# Altium PCB PCB2-v2.PcbDoc (part 2 of 8) (continued)
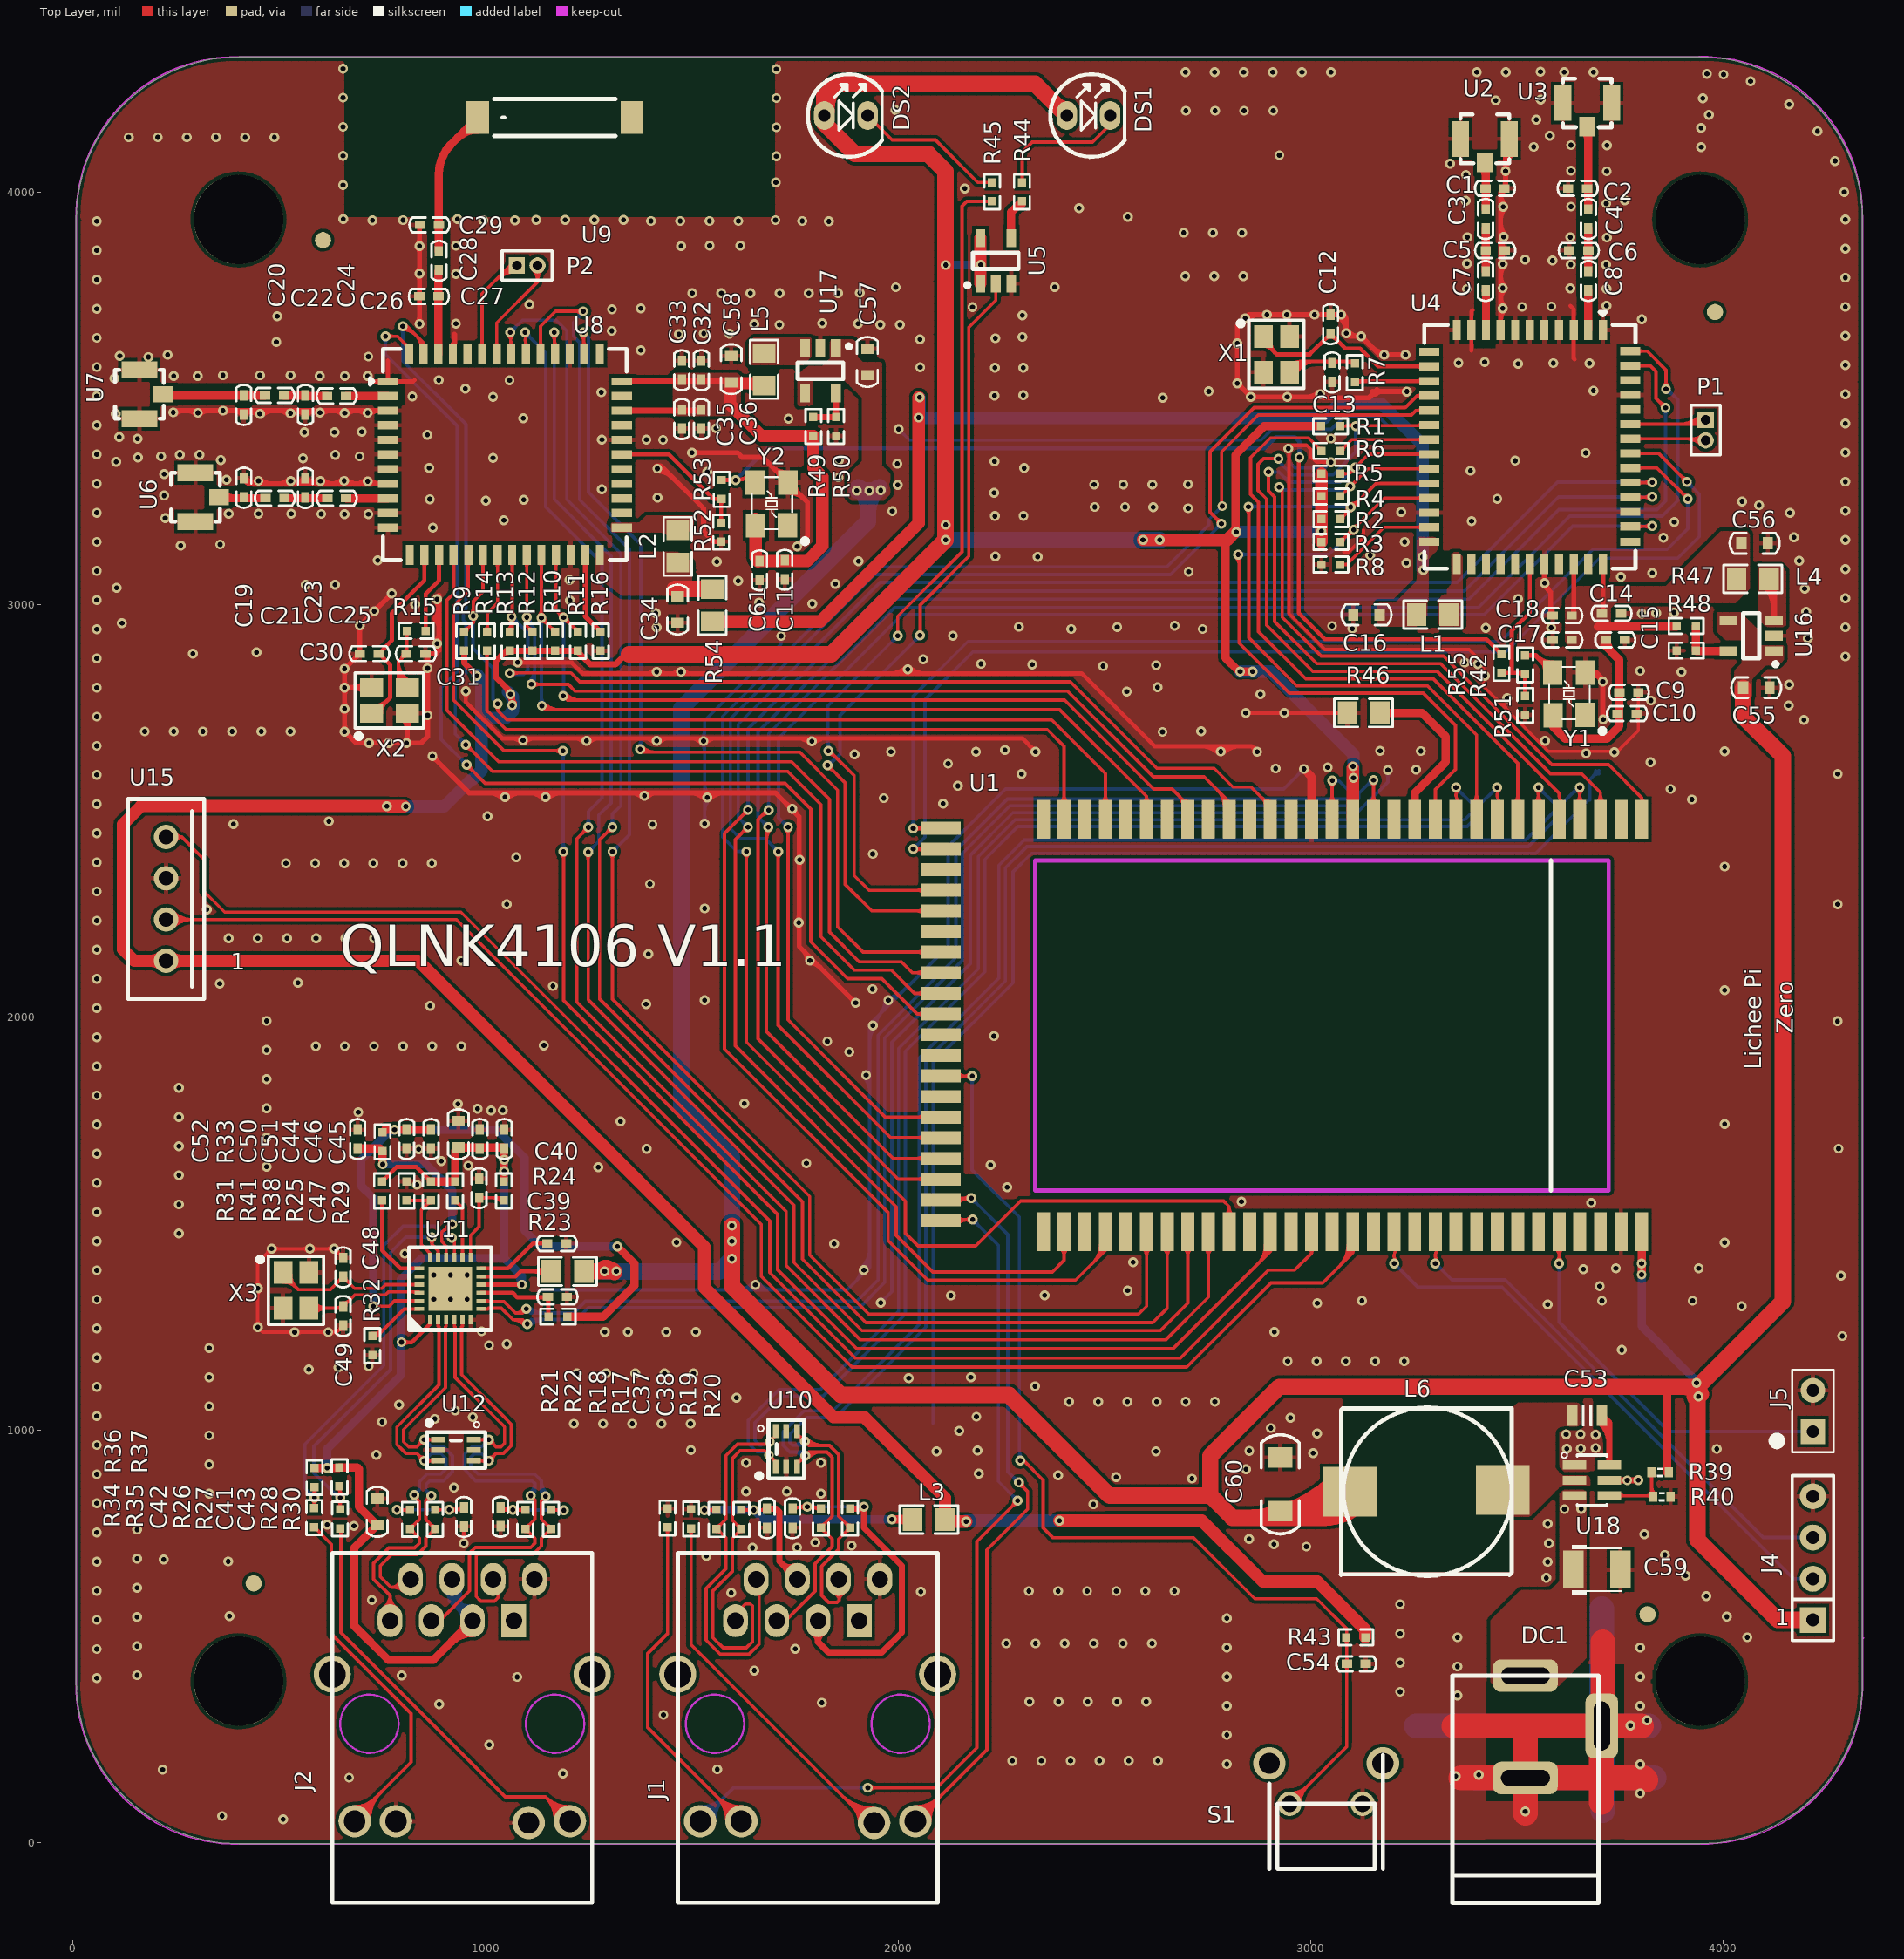
[diagram p0: Top Layer view]
## Nets (pads, with @x,y where several pads share a name; then routed paths per layer and width w, separated by ;. In a path a pad name is that pad's centre, name@x,y a point inside that pad or via, vN(x,y) a via of type N, cw(c..) or ccw(c..) an arc to the next point about the centre after c; other vN are vias at no path point) (continued)
  Bottom Layer w8: v1(1059.61,3660.55) 1088.89,3689.83 1170.56,3689.83 1196.77,3663.62 1196.77,3254.88 1327.89,3123.77 1327.89,2513.56 1307.25,2492.93 v1(1307.25,2460.98) ; v1@1059.61,3668.55 ccw(c1059.61,3687.86) 1073.26,3674.2 ; v1@1059.61,3668.55 ccw(c1059.61,3687.86) 1073.26,3674.2 ; v1@1059.61,3668.55 ccw(c1059.61,3687.86) 1073.26,3674.2 ; v1@1059.61,3668.55 ccw(c1059.61,3687.86) 1073.26,3674.2 ; v1@1067.61,3660.55 cw(c1086.92,3660.55) 1073.26,3674.2 ; v1@1067.61,3660.55 cw(c1086.92,3660.55) 1073.26,3674.2 ; v1@1067.61,3660.55 cw(c1086.92,3660.55) 1073.26,3674.2 ; v1@1067.61,3660.55 cw(c1086.92,3660.55) 1073.26,3674.2 ; v1@1301.59,2466.63 ccw(c1287.94,2480.29) 1307.25,2480.29 ; v1@1301.59,2466.63 ccw(c1287.94,2480.29) 1307.25,2480.29 ; v1@1301.59,2466.63 ccw(c1287.94,2480.29) 1307.25,2480.29 ; v1@1301.59,2466.63 ccw(c1287.94,2480.29) 1307.25,2480.29 ; 1307.25,2480.29 ccw(c1326.56,2480.29) v1@1312.91,2466.63 ; 1307.25,2480.29 ccw(c1326.56,2480.29) v1@1312.91,2466.63 ; 1307.25,2480.29 ccw(c1326.56,2480.29) v1@1312.91,2466.63 ; 1307.25,2480.29 ccw(c1326.56,2480.29) v1@1312.91,2466.63
BT1_RX: U1.8 U8.40 | length 4570.7
  Top Layer w8: U8.40@1166.83,3607.9 v1@1166.83,3660.55 ; v1(1248.28,2400.91) 1248.28,2043.35 1747.14,1544.49 1747.14,1405.49 1912.16,1240.48 2635.47,1240.48 2701.96,1306.97 U1.8@2701.96,1480.2 ; v1@1160.25,3654.89 cw(c1144.37,3639.01) 1166.83,3639.01 ; v1@1160.25,3654.89 cw(c1144.37,3639.01) 1166.83,3639.01 ; v1@1160.25,3654.89 cw(c1144.37,3639.01) 1166.83,3639.01 ; v1@1160.25,3654.89 cw(c1144.37,3639.01) 1166.83,3639.01 ; U8.40@1164.17,3626.8 ccw(c1157.76,3633.21) 1166.83,3633.21 ; U8.40@1164.17,3626.8 ccw(c1157.76,3633.21) 1166.83,3633.21 ; U8.40@1164.17,3626.8 ccw(c1157.76,3633.21) 1166.83,3633.21 ; U8.40@1164.17,3626.8 ccw(c1157.76,3633.21) 1166.83,3633.21 ; 1166.83,3640.33 ccw(c1185.97,3640.33) U8.40@1172.43,3626.8 ; 1166.83,3640.33 ccw(c1185.97,3640.33) U8.40@1172.43,3626.8 ; 1166.83,3640.33 ccw(c1185.97,3640.33) U8.40@1172.43,3626.8 ; 1166.83,3640.33 ccw(c1185.97,3640.33) U8.40@1172.43,3626.8 ; 1166.83,3643.46 cw(c1183,3643.46) v1@1171.56,3654.89 ; 1166.83,3643.46 cw(c1183,3643.46) v1@1171.56,3654.89 ; 1166.83,3643.46 cw(c1183,3643.46) v1@1171.56,3654.89 ; 1166.83,3643.46 cw(c1183,3643.46) v1@1171.56,3654.89 ; v1@1242.62,2395.26 cw(c1228.97,2381.6) 1248.28,2381.6 ; v1@1242.62,2395.26 cw(c1228.97,2381.6) 1248.28,2381.6 ; v1@1242.62,2395.26 cw(c1228.97,2381.6) 1248.28,2381.6 ; v1@1242.62,2395.26 cw(c1228.97,2381.6) 1248.28,2381.6 ; 1248.28,2381.6 cw(c1267.59,2381.6) v1@1253.94,2395.26 ; 1248.28,2381.6 cw(c1267.59,2381.6) v1@1253.94,2395.26 ; 1248.28,2381.6 cw(c1267.59,2381.6) v1@1253.94,2395.26 ; 1248.28,2381.6 cw(c1267.59,2381.6) v1@1253.94,2395.26 ; U1.8@2693.66,1440.4 cw(c2673.6,1420.34) 2701.96,1420.34 ; U1.8@2693.66,1440.4 cw(c2673.6,1420.34) 2701.96,1420.34 ; U1.8@2693.66,1440.4 cw(c2673.6,1420.34) 2701.96,1420.34 ; U1.8@2693.66,1440.4 cw(c2673.6,1420.34) 2701.96,1420.34 ; 2701.96,1420.34 cw(c2730.33,1420.34) U1.8@2710.27,1440.4 ; 2701.96,1420.34 cw(c2730.33,1420.34) U1.8@2710.27,1440.4 ; 2701.96,1420.34 cw(c2730.33,1420.34) U1.8@2710.27,1440.4 ; 2701.96,1420.34 cw(c2730.33,1420.34) U1.8@2710.27,1440.4
  Bottom Layer w8: v1(1165.91,3660.55) 1165.91,3255.84 1303.85,3117.9 1303.85,2519.75 1273.88,2489.77 1273.88,2426.51 v1(1248.28,2400.91) ; v1@1160.25,3654.89 cw(c1146.59,3641.23) 1165.91,3641.23 ; v1@1160.25,3654.89 cw(c1146.59,3641.23) 1165.91,3641.23 ; v1@1160.25,3654.89 cw(c1146.59,3641.23) 1165.91,3641.23 ; v1@1160.25,3654.89 cw(c1146.59,3641.23) 1165.91,3641.23 ; 1165.91,3641.23 cw(c1185.22,3641.23) v1@1171.56,3654.89 ; 1165.91,3641.23 cw(c1185.22,3641.23) v1@1171.56,3654.89 ; 1165.91,3641.23 cw(c1185.22,3641.23) v1@1171.56,3654.89 ; 1165.91,3641.23 cw(c1185.22,3641.23) v1@1171.56,3654.89 ; v1@1248.28,2408.91 ccw(c1248.28,2428.23) 1261.94,2414.57 ; v1@1248.28,2408.91 ccw(c1248.28,2428.23) 1261.94,2414.57 ; v1@1248.28,2408.91 ccw(c1248.28,2428.23) 1261.94,2414.57 ; v1@1248.28,2408.91 ccw(c1248.28,2428.23) 1261.94,2414.57 ; v1@1256.28,2400.91 cw(c1275.59,2400.91) 1261.94,2414.57 ; v1@1256.28,2400.91 cw(c1275.59,2400.91) 1261.94,2414.57 ; v1@1256.28,2400.91 cw(c1275.59,2400.91) 1261.94,2414.57 ; v1@1256.28,2400.91 cw(c1275.59,2400.91) 1261.94,2414.57
BT1_TX: U1.6 U8.41 | length 4570.8
  Top Layer w8: U8.41@1132.87,3607.9 1132.87,3675.19 1169.27,3711.59 v1(1236.31,3711.59) ; v1(1307.19,2401.63) 1307.19,2043.87 1785.22,1565.84 1785.22,1423.76 1928.12,1280.86 2582.99,1280.86 2601.96,1299.83 U1.6@2601.96,1480.2 ; U8.41@1128.74,3626.8 ccw(c1118.77,3636.77) 1132.87,3636.77 ; U8.41@1128.74,3626.8 ccw(c1118.77,3636.77) 1132.87,3636.77 ; U8.41@1128.74,3626.8 ccw(c1118.77,3636.77) 1132.87,3636.77 ; U8.41@1128.74,3626.8 ccw(c1118.77,3636.77) 1132.87,3636.77 ; 1132.87,3636.77 ccw(c1146.98,3636.77) U8.41@1137,3626.8 ; 1132.87,3636.77 ccw(c1146.98,3636.77) U8.41@1137,3626.8 ; 1132.87,3636.77 ccw(c1146.98,3636.77) U8.41@1137,3626.8 ; 1132.87,3636.77 ccw(c1146.98,3636.77) U8.41@1137,3626.8 ; 1217,3711.59 cw(c1217,3692.27) v1@1230.66,3705.93 ; 1217,3711.59 ccw(c1217,3730.9) v1@1230.66,3717.24 ; 1217,3711.59 cw(c1217,3692.27) v1@1230.66,3705.93 ; 1217,3711.59 ccw(c1217,3730.9) v1@1230.66,3717.24 ; 1217,3711.59 ccw(c1217,3730.9) v1@1230.66,3717.24 ; 1217,3711.59 cw(c1217,3692.27) v1@1230.66,3705.93 ; 1217,3711.59 ccw(c1217,3730.9) v1@1230.66,3717.24 ; 1217,3711.59 cw(c1217,3692.27) v1@1230.66,3705.93 ; v1@1301.53,2395.97 cw(c1287.88,2382.32) 1307.19,2382.32 ; v1@1301.53,2395.97 cw(c1287.88,2382.32) 1307.19,2382.32 ; v1@1301.53,2395.97 cw(c1287.88,2382.32) 1307.19,2382.32 ; v1@1301.53,2395.97 cw(c1287.88,2382.32) 1307.19,2382.32 ; 1307.19,2382.32 cw(c1326.5,2382.32) v1@1312.85,2395.97 ; 1307.19,2382.32 cw(c1326.5,2382.32) v1@1312.85,2395.97 ; 1307.19,2382.32 cw(c1326.5,2382.32) v1@1312.85,2395.97 ; 1307.19,2382.32 cw(c1326.5,2382.32) v1@1312.85,2395.97 ; U1.6@2593.66,1440.4 cw(c2573.6,1420.34) 2601.96,1420.34 ; U1.6@2593.66,1440.4 cw(c2573.6,1420.34) 2601.96,1420.34 ; U1.6@2593.66,1440.4 cw(c2573.6,1420.34) 2601.96,1420.34 ; U1.6@2593.66,1440.4 cw(c2573.6,1420.34) 2601.96,1420.34 ; 2601.96,1420.34 cw(c2630.33,1420.34) U1.6@2610.27,1440.4 ; 2601.96,1420.34 cw(c2630.33,1420.34) U1.6@2610.27,1440.4 ; 2601.96,1420.34 cw(c2630.33,1420.34) U1.6@2610.27,1440.4 ; 2601.96,1420.34 cw(c2630.33,1420.34) U1.6@2610.27,1440.4
  Bottom Layer w8: v1(1236.31,3711.59) 1236.31,3708.09 1212.77,3684.55 1212.77,3650.61 1227.15,3636.22 1227.15,3255.66 1348.12,3134.7 1348.12,2442.55 v1(1307.19,2401.63) ; 1220.18,3691.96 ccw(c1200.56,3711.59) v1@1228.31,3711.59 ; 1220.18,3691.96 ccw(c1200.56,3711.59) v1@1228.31,3711.59 ; 1220.18,3691.96 ccw(c1200.56,3711.59) v1@1228.31,3711.59 ; 1220.18,3691.96 ccw(c1200.56,3711.59) v1@1228.31,3711.59 ; 1228.63,3700.4 cw(c1236.31,3692.72) v1@1236.31,3703.59 ; 1228.63,3700.4 cw(c1236.31,3692.72) v1@1236.31,3703.59 ; 1228.63,3700.4 cw(c1236.31,3692.72) v1@1236.31,3703.59 ; 1228.63,3700.4 cw(c1236.31,3692.72) v1@1236.31,3703.59 ; v1@1307.19,2409.63 ccw(c1307.19,2428.94) 1320.85,2415.29 ; v1@1307.19,2409.63 ccw(c1307.19,2428.94) 1320.85,2415.29 ; v1@1307.19,2409.63 ccw(c1307.19,2428.94) 1320.85,2415.29 ; v1@1307.19,2409.63 ccw(c1307.19,2428.94) 1320.85,2415.29 ; v1@1315.19,2401.63 cw(c1334.5,2401.63) 1320.85,2415.29 ; v1@1315.19,2401.63 cw(c1334.5,2401.63) 1320.85,2415.29 ; v1@1315.19,2401.63 cw(c1334.5,2401.63) 1320.85,2415.29 ; v1@1315.19,2401.63 cw(c1334.5,2401.63) 1320.85,2415.29
BT1_WAKE: U1.69 U8.49 | length 3735.8
  Top Layer w8: v1@802.89,3680.89 849.41,3634.37 ; U8.49@849.41,3607.9 849.41,3634.37 ; v1(951.89,2660.89) 1016.63,2596.15 1731.99,2596.15 1812.72,2515.42 1812.72,2195.06 1893.4,2114.38 1983.24,2114.38 2039.71,2057.92 U1.69@2103.93,2057.92 ; v1@798.89,3666.89 cw(c798.89,3623.44) 829.61,3654.17 ; v1@798.89,3666.89 cw(c798.89,3623.44) 829.61,3654.17 ; v1@798.89,3666.89 cw(c798.89,3623.44) 829.61,3654.17 ; v1@798.89,3666.89 cw(c798.89,3623.44) 829.61,3654.17 ; v1(798.89,3674.89) cw(c798.89,3650.75) 815.96,3667.82 ; v1(798.89,3674.89) cw(c798.89,3650.75) 815.96,3667.82 ; v1(798.89,3674.89) cw(c798.89,3650.75) 815.96,3667.82 ; v1(798.89,3674.89) cw(c798.89,3650.75) 815.96,3667.82 ; 831.15,3652.63 cw(c801.19,3622.66) U8.49@843.56,3622.66 ; 831.15,3652.63 cw(c801.19,3622.66) U8.49@843.56,3622.66 ; 831.15,3652.63 cw(c801.19,3622.66) U8.49@843.56,3622.66 ; 831.15,3652.63 cw(c801.19,3622.66) U8.49@843.56,3622.66 ; 844.81,3638.97 cw(c828.5,3622.66) U8.49@851.56,3622.66 ; 844.81,3638.97 cw(c828.5,3622.66) U8.49@851.56,3622.66 ; 844.81,3638.97 cw(c828.5,3622.66) U8.49@851.56,3622.66 ; 844.81,3638.97 cw(c828.5,3622.66) U8.49@851.56,3622.66 ; U8.49@845.89,3627.33 ccw(c840.59,3634.37) 849.41,3634.37 ; U8.49@845.89,3627.33 ccw(c840.59,3634.37) 849.41,3634.37 ; U8.49@845.89,3627.33 ccw(c840.59,3634.37) 849.41,3634.37 ; U8.49@845.89,3627.33 ccw(c840.59,3634.37) 849.41,3634.37 ; 849.41,3634.37 ccw(c858.22,3634.37) U8.49@852.92,3627.33 ; 849.41,3634.37 ccw(c858.22,3634.37) U8.49@852.92,3627.33 ; 849.41,3634.37 ccw(c858.22,3634.37) U8.49@852.92,3627.33 ; 849.41,3634.37 ccw(c858.22,3634.37) U8.49@852.92,3627.33 ; v1@951.89,2652.89 cw(c951.89,2633.58) 965.54,2647.24 ; v1@951.89,2652.89 cw(c951.89,2633.58) 965.54,2647.24 ; v1@951.89,2652.89 cw(c951.89,2633.58) 965.54,2647.24 ; v1@951.89,2652.89 cw(c951.89,2633.58) 965.54,2647.24 ; v1@959.89,2660.89 ccw(c979.2,2660.89) 965.54,2647.24 ; v1@959.89,2660.89 ccw(c979.2,2660.89) 965.54,2647.24 ; v1@959.89,2660.89 ccw(c979.2,2660.89) 965.54,2647.24 ; v1@959.89,2660.89 ccw(c979.2,2660.89) 965.54,2647.24 ; 2044.07,2057.92 cw(c2044.07,2029.55) U1.69@2064.13,2049.61 ; 2044.07,2057.92 ccw(c2044.07,2086.28) U1.69@2064.13,2066.22 ; 2044.07,2057.92 ccw(c2044.07,2086.28) U1.69@2064.13,2066.22 ; 2044.07,2057.92 cw(c2044.07,2029.55) U1.69@2064.13,2049.61 ; 2044.07,2057.92 ccw(c2044.07,2086.28) U1.69@2064.13,2066.22 ; 2044.07,2057.92 cw(c2044.07,2029.55) U1.69@2064.13,2049.61
  Bottom Layer w8: v1(798.89,3674.89) 798.89,3590.5 951.89,3437.5 951.89,2988.83 945.89,2982.83 945.89,2962.95 951.89,2956.95 951.89,2833.81 926.38,2808.3 926.38,2686.4 v1(951.89,2660.89) ; v1@793.23,3669.24 cw(c779.57,3655.58) 798.89,3655.58 ; v1@793.23,3669.24 cw(c779.57,3655.58) 798.89,3655.58 ; v1@793.23,3669.24 cw(c779.57,3655.58) 798.89,3655.58 ; v1@793.23,3669.24 cw(c779.57,3655.58) 798.89,3655.58 ; 798.89,3655.58 cw(c818.2,3655.58) v1@804.54,3669.24 ; 798.89,3655.58 cw(c818.2,3655.58) v1@804.54,3669.24 ; 798.89,3655.58 cw(c818.2,3655.58) v1@804.54,3669.24 ; 798.89,3655.58 cw(c818.2,3655.58) v1@804.54,3669.24 ; 938.23,2674.55 cw(c924.57,2660.89) v1@943.89,2660.89 ; 938.23,2674.55 ccw(c951.89,2688.21) v1@951.89,2668.89 ; 938.23,2674.55 ccw(c951.89,2688.21) v1@951.89,2668.89 ; 938.23,2674.55 cw(c924.57,2660.89) v1@943.89,2660.89 ; 938.23,2674.55 ccw(c951.89,2688.21) v1@951.89,2668.89 ; 938.23,2674.55 cw(c924.57,2660.89) v1@943.89,2660.89
BTN: C54.1 R43.1 S1.1 U1.73 | length 3687.4
  Top Layer w8: U1.73@2125.89,1856.89 v1@2179.17,1856.89 ; v1@2288.89,924.88 v1@2295.94,924.88 ; v1(2295.38,925.44) v1@2295.94,924.88 ; S1.1@2948.55,93.54 3087.29,232.27 C54.1@3087.29,432.74 3087.29,517.31 3014.09,590.5 2864.13,590.5 2716.25,738.39 2375.29,738.39 2351.39,762.29 2351.39,878.05 2304.56,924.88 v1@2295.94,924.88 ; U1.73@2143.74,1849.61 cw(c2161.32,1832.03) 2161.32,1856.89 ; U1.73@2143.74,1849.61 cw(c2161.32,1832.03) 2161.32,1856.89 ; U1.73@2143.74,1849.61 cw(c2161.32,1832.03) 2161.32,1856.89 ; U1.73@2143.74,1849.61 cw(c2161.32,1832.03) 2161.32,1856.89 ; U1.73@2143.74,1866.22 ccw(c2166.26,1888.75) 2166.26,1856.89 ; U1.73@2143.74,1866.22 ccw(c2166.26,1888.75) 2166.26,1856.89 ; U1.73@2143.74,1866.22 ccw(c2166.26,1888.75) 2166.26,1856.89 ; U1.73@2143.74,1866.22 ccw(c2166.26,1888.75) 2166.26,1856.89 ; 2157.63,1856.89 ccw(c2157.63,1879.35) v1@2173.51,1863.47 ; 2157.63,1856.89 ccw(c2157.63,1879.35) v1@2173.51,1863.47 ; 2157.63,1856.89 ccw(c2157.63,1879.35) v1@2173.51,1863.47 ; 2157.63,1856.89 ccw(c2157.63,1879.35) v1@2173.51,1863.47 ; 2162.08,1856.89 cw(c2162.08,1840.72) v1@2173.51,1852.16 ; 2162.08,1856.89 cw(c2162.08,1840.72) v1@2173.51,1852.16 ; 2162.08,1856.89 cw(c2162.08,1840.72) v1@2173.51,1852.16 ; 2162.08,1856.89 cw(c2162.08,1840.72) v1@2173.51,1852.16 ; 2978.47,123.46 ccw(c3008.39,93.54) 2966.08,93.54 cw(c3008.39,93.54) 2978.47,123.46 ; 2978.47,123.46 cw(c2948.55,153.38) 2948.55,111.06 ccw(c2948.55,153.38) 2978.47,123.46 ; 2992.13,137.12 ccw(c3035.71,93.54) 2974.08,93.54 cw(c3035.71,93.54) 2992.13,137.12 ; 2992.13,137.12 cw(c2948.55,180.69) 2948.55,119.06 ccw(c2948.55,180.69) 2992.13,137.12 ; R43.1@3082.01,492.65 cw(c3069.25,479.9) 3087.29,479.9 ; R43.1@3082.01,492.65 cw(c3069.25,479.9) 3087.29,479.9 ; R43.1@3082.01,492.65 cw(c3069.25,479.9) 3087.29,479.9 ; R43.1@3082.01,492.65 cw(c3069.25,479.9) 3087.29,479.9 ; C54.1@3083.04,428.5 cw(c3072.8,418.26) 3087.29,418.26 ; C54.1@3083.04,428.5 cw(c3072.8,418.26) 3087.29,418.26 ; C54.1@3083.04,428.5 cw(c3072.8,418.26) 3087.29,418.26 ; C54.1@3083.04,428.5 cw(c3072.8,418.26) 3087.29,418.26 ; C54.1@3083.04,436.99 ccw(c3072.8,447.23) 3087.29,447.23 ; C54.1@3083.04,436.99 ccw(c3072.8,447.23) 3087.29,447.23 ; C54.1@3083.04,436.99 ccw(c3072.8,447.23) 3087.29,447.23 ; C54.1@3083.04,436.99 ccw(c3072.8,447.23) 3087.29,447.23 ; 3087.29,418.26 cw(c3101.77,418.26) C54.1@3091.53,428.5 ; 3087.29,418.26 cw(c3101.77,418.26) C54.1@3091.53,428.5 ; 3087.29,418.26 cw(c3101.77,418.26) C54.1@3091.53,428.5 ; 3087.29,418.26 cw(c3101.77,418.26) C54.1@3091.53,428.5 ; 3087.29,447.23 ccw(c3101.77,447.23) C54.1@3091.53,436.99 ; 3087.29,447.23 ccw(c3101.77,447.23) C54.1@3091.53,436.99 ; 3087.29,447.23 ccw(c3101.77,447.23) C54.1@3091.53,436.99 ; 3087.29,447.23 ccw(c3101.77,447.23) C54.1@3091.53,436.99 ; 3087.29,484.92 cw(c3098.22,484.92) R43.1@3090.49,492.65 ; 3087.29,484.92 cw(c3098.22,484.92) R43.1@3090.49,492.65 ; 3087.29,484.92 cw(c3098.22,484.92) R43.1@3090.49,492.65 ; 3087.29,484.92 cw(c3098.22,484.92) R43.1@3090.49,492.65
  Bottom Layer w8: v1(2179.17,1857.81) 2179.17,1630 2293.61,1515.56 v1@2293.61,930.06 ; v1@2173.51,1852.16 cw(c2159.86,1838.5) 2179.17,1838.5 ; v1@2173.51,1852.16 cw(c2159.86,1838.5) 2179.17,1838.5 ; v1@2173.51,1852.16 cw(c2159.86,1838.5) 2179.17,1838.5 ; v1@2173.51,1852.16 cw(c2159.86,1838.5) 2179.17,1838.5 ; 2179.17,1838.5 cw(c2198.48,1838.5) v1@2184.83,1852.16 ; 2179.17,1838.5 cw(c2198.48,1838.5) v1@2184.83,1852.16 ; 2179.17,1838.5 cw(c2198.48,1838.5) v1@2184.83,1852.16 ; 2179.17,1838.5 cw(c2198.48,1838.5) v1@2184.83,1852.16 ; v1@2289.73,931.1 ccw(c2280.35,940.47) 2293.61,940.47 ; v1@2289.73,931.1 ccw(c2280.35,940.47) 2293.61,940.47 ; v1@2289.73,931.1 ccw(c2280.35,940.47) 2293.61,940.47 ; v1@2289.73,931.1 ccw(c2280.35,940.47) 2293.61,940.47 ; 2293.61,949.03 ccw(c2318.97,949.03) v1@2301.04,931.1 ; 2293.61,949.03 ccw(c2318.97,949.03) v1@2301.04,931.1 ; 2293.61,949.03 ccw(c2318.97,949.03) v1@2301.04,931.1 ; 2293.61,949.03 ccw(c2318.97,949.03) v1@2301.04,931.1
CLK0: R6.2 U4.18 | length 408.8
  Top Layer w8: R6.2@3071.73,3372.93 3099.23,3400.44 U4.18@3287.36,3400.44 U4.18@3285.86,3401.93 ; R6.2@3071.73,3378.93 ccw(c3071.73,3393.42) 3081.97,3383.17 ; R6.2@3071.73,3378.93 ccw(c3071.73,3393.42) 3081.97,3383.17 ; R6.2@3071.73,3378.93 ccw(c3071.73,3393.42) 3081.97,3383.17 ; R6.2@3071.73,3378.93 ccw(c3071.73,3393.42) 3081.97,3383.17 ; R6.2@3077.73,3372.93 cw(c3092.21,3372.93) 3081.97,3383.17 ; R6.2@3077.73,3372.93 cw(c3092.21,3372.93) 3081.97,3383.17 ; R6.2@3077.73,3372.93 cw(c3092.21,3372.93) 3081.97,3383.17 ; R6.2@3077.73,3372.93 cw(c3092.21,3372.93) 3081.97,3383.17 ; 3258.49,3400.44 cw(c3258.49,3386.33) U4.18@3268.46,3396.31 ; 3258.49,3400.44 ccw(c3258.49,3414.54) U4.18@3268.46,3404.57 ; 3258.49,3400.44 cw(c3258.49,3386.33) U4.18@3268.46,3396.31 ; 3258.49,3400.44 ccw(c3258.49,3414.54) U4.18@3268.46,3404.57 ; 3258.49,3400.44 ccw(c3258.49,3414.54) U4.18@3268.46,3404.57 ; 3258.49,3400.44 cw(c3258.49,3386.33) U4.18@3268.46,3396.31 ; 3258.49,3400.44 ccw(c3258.49,3414.54) U4.18@3268.46,3404.57 ; 3258.49,3400.44 cw(c3258.49,3386.33) U4.18@3268.46,3396.31
CLK1: R14.2 U8.18 | length 376.4
  Top Layer w8: R14.2@1002.95,2934.52 1004.61,2936.18 1004.61,2980.62 1028.54,3004.55 U8.18@1028.54,3120.66 ; R14.2@998.71,2938.77 ccw(c984.45,2953.02) 1004.61,2953.02 ; R14.2@998.71,2938.77 ccw(c984.45,2953.02) 1004.61,2953.02 ; R14.2@998.71,2938.77 ccw(c984.45,2953.02) 1004.61,2953.02 ; R14.2@998.71,2938.77 ccw(c984.45,2953.02) 1004.61,2953.02 ; 1004.61,2945 ccw(c1013.42,2945) R14.2@1007.19,2938.77 ; 1004.61,2945 ccw(c1013.42,2945) R14.2@1007.19,2938.77 ; 1004.61,2945 ccw(c1013.42,2945) R14.2@1007.19,2938.77 ; 1004.61,2945 ccw(c1013.42,2945) R14.2@1007.19,2938.77 ; U8.18@1024.41,3101.76 cw(c1014.43,3091.79) 1028.54,3091.79 ; U8.18@1024.41,3101.76 cw(c1014.43,3091.79) 1028.54,3091.79 ; U8.18@1024.41,3101.76 cw(c1014.43,3091.79) 1028.54,3091.79 ; U8.18@1024.41,3101.76 cw(c1014.43,3091.79) 1028.54,3091.79 ; 1028.54,3091.79 cw(c1042.64,3091.79) U8.18@1032.67,3101.76 ; 1028.54,3091.79 cw(c1042.64,3091.79) U8.18@1032.67,3101.76 ; 1028.54,3091.79 cw(c1042.64,3091.79) U8.18@1032.67,3101.76 ; 1028.54,3091.79 cw(c1042.64,3091.79) U8.18@1032.67,3101.76
DBG_RX: J4.3 U1.20 | length 1227.9
  Top Layer w8: 3301.96,1420.34 cw(c3330.33,1420.34) U1.20@3310.27,1440.4 ; 3301.96,1422.82 ccw(c3321.28,1422.82) v1@3307.62,1409.16
  Bottom Layer w8: v1(3301.96,1403.51) 3341.58,1363.89 3471.88,1363.89 4096.73,739.04 J4.3@4217.21,739.04
DBG_TX: J4.2 U1.18 | length 1369.3
  Top Layer w8: 3201.96,1420.34 cw(c3230.33,1420.34) U1.18@3210.27,1440.4 ; 3201.96,1422.82 ccw(c3221.28,1422.82) v1@3207.62,1409.16
  Bottom Layer w8: v1(3201.96,1403.51) 3259.51,1345.96 3463.8,1345.96 4170.72,639.04 J4.2@4217.21,639.04
DHT12_SCK: U1.14 U15.4 | length 3796.1
  Top Layer w8: U15.4@225.08,2437.07 262.99,2437.07 ; U1.14@3001.96,1480.2 3001.96,1428.36 ; U15.4@248.74,2427.48 cw(c262.99,2421.69) 262.99,2437.07 ; U15.4@248.74,2427.48 cw(c262.99,2421.69) 262.99,2437.07 ; U15.4@248.74,2427.48 cw(c262.99,2421.69) 262.99,2437.07 ; U15.4@248.74,2427.48 cw(c262.99,2421.69) 262.99,2437.07 ; U15.4@248.74,2446.67 ccw(c262.99,2452.46) 262.99,2437.07 ; U15.4@248.74,2446.67 ccw(c262.99,2452.46) 262.99,2437.07 ; U15.4@248.74,2446.67 ccw(c262.99,2452.46) 262.99,2437.07 ; U15.4@248.74,2446.67 ccw(c262.99,2452.46) 262.99,2437.07 ; 262.99,2437.07 317.6,2382.46 317.6,2304.65 367.34,2254.92 939.88,2254.92 1688.32,1506.47 1688.32,1381.06 1895.51,1173.87 2684.21,1173.87 2897.73,1387.4 2961,1387.4 3001.96,1428.36 ; U1.14@2996.09,1438.53 cw(c2990.22,1428.36) 3001.96,1428.36 ; U1.14@2996.09,1438.53 cw(c2990.22,1428.36) 3001.96,1428.36 ; U1.14@2996.09,1438.53 cw(c2990.22,1428.36) 3001.96,1428.36 ; 3001.96,1428.36 cw(c3013.7,1428.36) U1.14@3007.84,1438.53 ; 3001.96,1428.36 cw(c3013.7,1428.36) U1.14@3007.84,1438.53 ; 3001.96,1428.36 cw(c3013.7,1428.36) U1.14@3007.84,1438.53
DHT12_SDA: U1.16 U15.2 | length 4685.5
  Top Layer w8: U15.2@225.08,2237.07 928.61,2237.07 1668.03,1497.66 1668.03,1371.74 1887.74,1152.04 2699.46,1152.04 2903.61,1356.18 3029.05,1356.18 3101.96,1429.1 ; U1.16@3101.96,1480.2 3101.96,1429.1 ; U15.2@237.48,2224.68 cw(c267.4,2194.76) 267.4,2237.07 ; U15.2@237.48,2224.68 cw(c267.4,2194.76) 267.4,2237.07 ; U15.2@237.48,2224.68 cw(c267.4,2194.76) 267.4,2237.07 ; U15.2@237.48,2224.68 cw(c267.4,2194.76) 267.4,2237.07 ; U15.2@237.48,2249.47 ccw(c267.4,2279.39) 267.4,2237.07 ; U15.2@237.48,2249.47 ccw(c267.4,2279.39) 267.4,2237.07 ; U15.2@237.48,2249.47 ccw(c267.4,2279.39) 267.4,2237.07 ; U15.2@237.48,2249.47 ccw(c267.4,2279.39) 267.4,2237.07 ; U15.2@243.13,2219.02 cw(c286.71,2175.45) 286.71,2237.07 ; U15.2@243.13,2219.02 cw(c286.71,2175.45) 286.71,2237.07 ; U15.2@243.13,2219.02 cw(c286.71,2175.45) 286.71,2237.07 ; U15.2@243.13,2219.02 cw(c286.71,2175.45) 286.71,2237.07 ; U15.2@243.13,2255.12 ccw(c286.71,2298.7) 286.71,2237.07 ; U15.2@243.13,2255.12 ccw(c286.71,2298.7) 286.71,2237.07 ; U15.2@243.13,2255.12 ccw(c286.71,2298.7) 286.71,2237.07 ; U15.2@243.13,2255.12 ccw(c286.71,2298.7) 286.71,2237.07 ; 3068.05,1395.18 ccw(c3014.52,1448.7) U1.16@3090.22,1448.7 ; 3068.05,1395.18 ccw(c3014.52,1448.7) U1.16@3090.22,1448.7 ; 3068.05,1395.18 ccw(c3014.52,1448.7) U1.16@3090.22,1448.7 ; 3081.7,1408.84 ccw(c3041.83,1448.7) U1.16@3098.22,1448.7 ; 3081.7,1408.84 ccw(c3041.83,1448.7) U1.16@3098.22,1448.7 ; 3081.7,1408.84 ccw(c3041.83,1448.7) U1.16@3098.22,1448.7 ; 3095.36,1422.49 ccw(c3069.15,1448.7) U1.16@3106.22,1448.7 ; 3095.36,1422.49 ccw(c3069.15,1448.7) U1.16@3106.22,1448.7 ; 3095.36,1422.49 ccw(c3069.15,1448.7) U1.16@3106.22,1448.7 ; U1.16@3096.42,1438.34 cw(c3091.48,1429.1) 3101.96,1429.1 ; U1.16@3096.42,1438.34 cw(c3091.48,1429.1) 3101.96,1429.1 ; U1.16@3096.42,1438.34 cw(c3091.48,1429.1) 3101.96,1429.1 ; 3101.96,1429.1 cw(c3112.45,1429.1) U1.16@3107.51,1438.34 ; 3101.96,1429.1 cw(c3112.45,1429.1) U1.16@3107.51,1438.34 ; 3101.96,1429.1 cw(c3112.45,1429.1) U1.16@3107.51,1438.34
DVDD10_PHY: C52.1 R33.2 U11.16 | length 709.8
  Top Layer w8: U11.16@904.22,1417.19 904.22,1445.56 893.34,1456.44 893.34,1479.32 912.09,1498.07 v1(919.2,1498.07) ; 893.41,1479.39 cw(c919.2,1453.61) v1@919.2,1490.07 ; 893.41,1479.39 cw(c919.2,1453.61) v1@919.2,1490.07 ; 893.41,1479.39 cw(c919.2,1453.61) v1@919.2,1490.07 ; 893.41,1479.39 cw(c919.2,1453.61) v1@919.2,1490.07 ; 907.07,1493.05 cw(c919.2,1480.92) v1(919.2,1498.07) ; 907.07,1493.05 cw(c919.2,1480.92) v1(919.2,1498.07) ; 907.07,1493.05 cw(c919.2,1480.92) v1(919.2,1498.07) ; 907.07,1493.05 cw(c919.2,1480.92) v1(919.2,1498.07)
  Top Layer w20: C52.1@689.65,1681.81 743.42,1681.81 R33.2@749.87,1675.36 ; v1(750.43,1643.76) 749.87,1644.32 R33.2@749.87,1675.36 ; 734.29,1681.81 cw(c734.29,1659.77) R33.2@749.87,1675.36 ; 734.29,1681.81 cw(c734.29,1659.77) R33.2@749.87,1675.36 ; 734.29,1681.81 cw(c734.29,1659.77) R33.2@749.87,1675.36 ; 734.29,1681.81 cw(c734.29,1659.77) R33.2@749.87,1675.36
  Bottom Layer w20: v1(750.43,1643.76) 855.49,1643.76 919.2,1580.05 v1(919.2,1498.07)
DVDD33_PHY: C47.1 R29.2 U11.13 | length 567.6
  Top Layer w8: U11.13@963.27,1417.19 963.27,1471.66 983.93,1492.32 C47.1@983.93,1562.66 1037.52,1562.66 R29.2@1043.98,1556.21 ; C47.1@979.68,1555.92 cw(c969.44,1545.68) 983.93,1545.68 ; C47.1@979.68,1555.92 cw(c969.44,1545.68) 983.93,1545.68 ; C47.1@979.68,1555.92 cw(c969.44,1545.68) 983.93,1545.68 ; C47.1@979.68,1555.92 cw(c969.44,1545.68) 983.93,1545.68 ; 983.93,1545.68 cw(c998.41,1545.68) C47.1@988.17,1555.92 ; 983.93,1545.68 cw(c998.41,1545.68) C47.1@988.17,1555.92 ; 983.93,1545.68 cw(c998.41,1545.68) C47.1@988.17,1555.92 ; 983.93,1545.68 cw(c998.41,1545.68) C47.1@988.17,1555.92 ; C47.1@988.17,1558.42 cw(c998.41,1548.18) 998.41,1562.66 ; C47.1@988.17,1558.42 cw(c998.41,1548.18) 998.41,1562.66 ; C47.1@988.17,1558.42 cw(c998.41,1548.18) 998.41,1562.66 ; C47.1@988.17,1558.42 cw(c998.41,1548.18) 998.41,1562.66 ; C47.1@988.17,1566.91 ccw(c998.41,1577.15) 998.41,1562.66 ; C47.1@988.17,1566.91 ccw(c998.41,1577.15) 998.41,1562.66 ; C47.1@988.17,1566.91 ccw(c998.41,1577.15) 998.41,1562.66 ; C47.1@988.17,1566.91 ccw(c998.41,1577.15) 998.41,1562.66 ; 1013.91,1562.66 cw(c1013.91,1526.14) R29.2@1039.74,1551.97 ; 1013.91,1562.66 cw(c1013.91,1526.14) R29.2@1039.74,1551.97 ; 1013.91,1562.66 cw(c1013.91,1526.14) R29.2@1039.74,1551.97 ; 1013.91,1562.66 cw(c1013.91,1526.14) R29.2@1039.74,1551.97 ; 1033.22,1562.66 cw(c1033.22,1545.45) R29.2@1045.39,1557.62 ; 1033.22,1562.66 cw(c1033.22,1545.45) R29.2@1045.39,1557.62 ; 1033.22,1562.66 cw(c1033.22,1545.45) R29.2@1045.39,1557.62 ; 1033.22,1562.66 cw(c1033.22,1545.45) R29.2@1045.39,1557.62